# Altium PCB Computer_Board_Mockup.PcbDoc (part 4 of 5)
Units mm, origin at the board's own origin, x right, y up, seen from the top; angles counter-clockwise.
Board outline 185 x 165 mm, 4 copper layers (Top Layer, Layer 1, Layer 2, Bottom Layer), stack 1.57 mm thick; 400 components, 369 nets, 1989 pads, 984 vias.
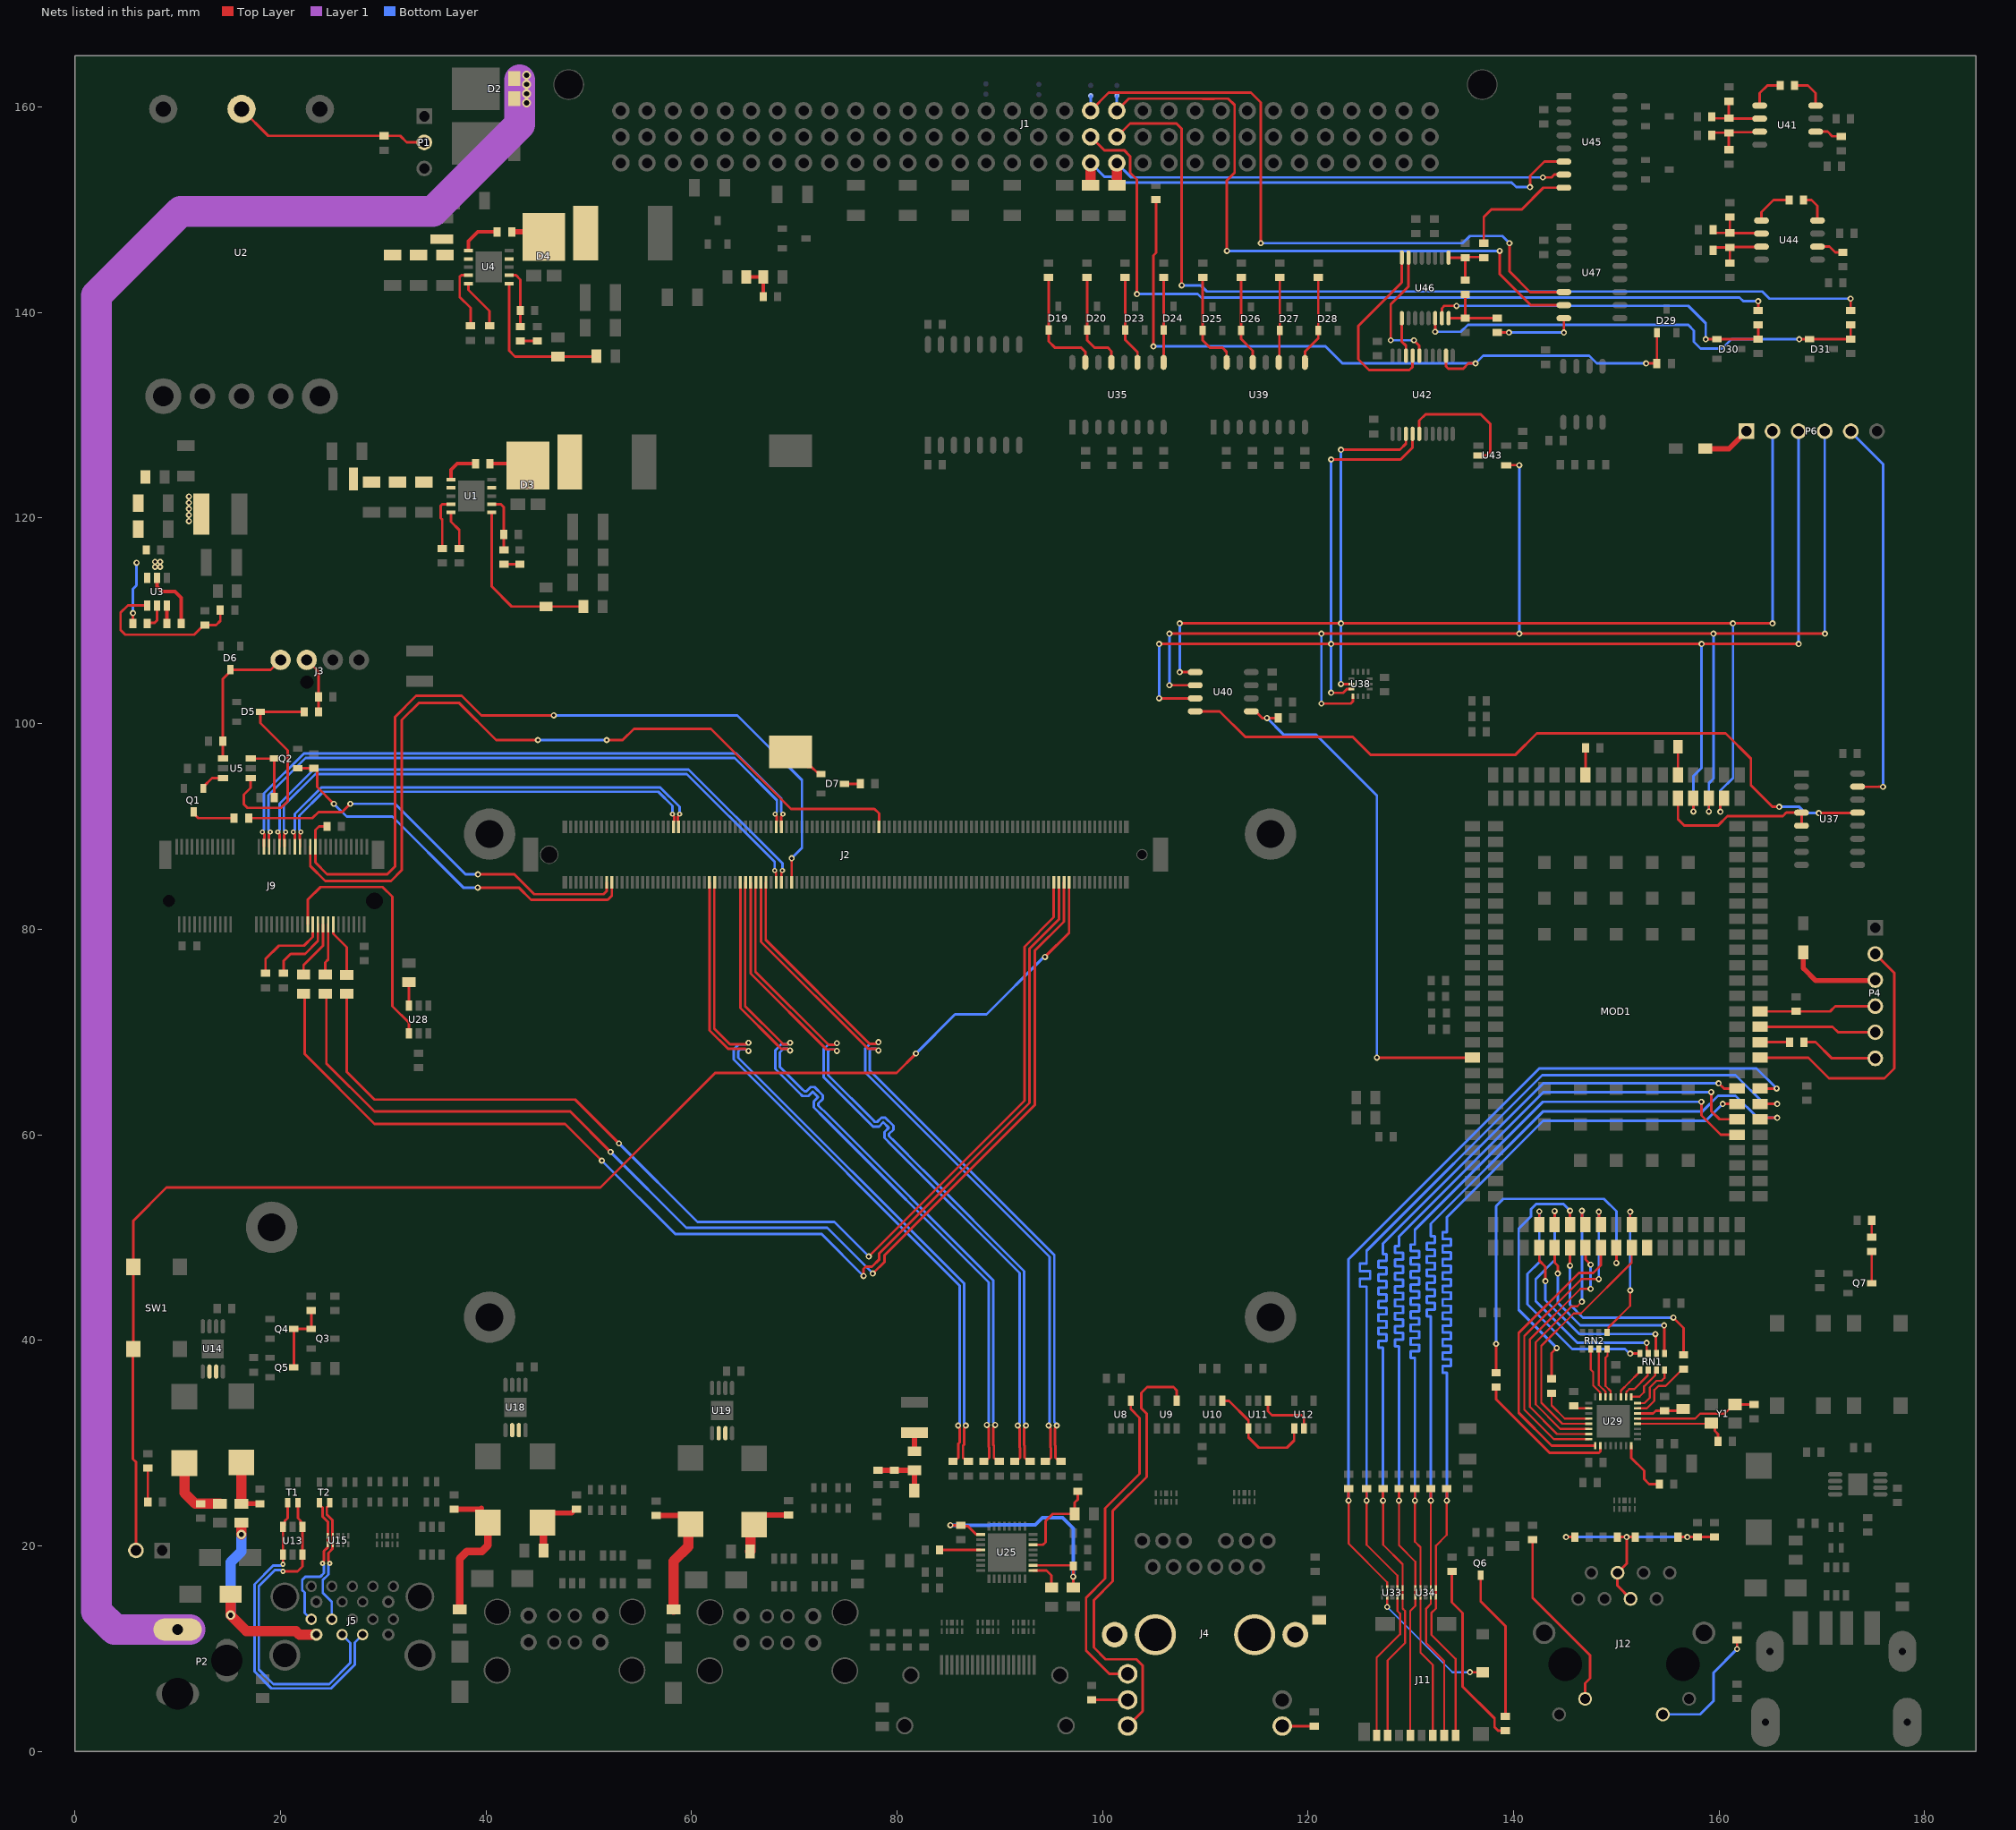
[diagram p6: the nets of this part, all layers, seen from the top]

## Via types
v1: diameter 0.6, hole 0.3, Top Layer to Bottom Layer, tented both sides, 775 vias
v2: diameter 0.8, hole 0.4, Top Layer to Bottom Layer, tented both sides, 113 vias
v3: diameter 0.5, hole 0.2, Top Layer to Bottom Layer, tented both sides, 38 vias
v4: diameter 0.6, hole 0.3, Top Layer to Bottom Layer, 22 vias
v5: diameter 0.45, hole 0.2, Top Layer to Bottom Layer, tented both sides, 16 vias
v6: diameter 0.9, hole 0.5, Top Layer to Bottom Layer, tented both sides, 12 vias
v7: diameter 0.5, hole 0.25, Top Layer to Bottom Layer, tented both sides, 5 vias
v8: diameter 0.45, hole 0.25, Top Layer to Bottom Layer, tented both sides, 3 vias

## Nets (pads, with @x,y where several pads share a name; then routed paths per layer and width w, separated by ;. In a path a pad name is that pad's centre, name@x,y a point inside that pad or via, vN(x,y) a via of type N, cw(c..) or ccw(c..) an arc to the next point about the centre after c; other vN are vias at no path point) (continued)
MMC0_CD: J11.9 MOD1.42 R53.1 U33.2 U33.9 | length 100.2
  Top Layer w0.2: v1(123.95,24.4) 123.95,20.2 127.7,16.45 U33.2@127.7,15.032 v1(127.7,14.05) ; v1(135.75,7.7) J11.9@136.985,7.7
  Top Layer w0.25: v1(123.95,24.4) R53.1@123.95,25.55 ; MOD1.42@164,64.5 v1(165.6,64.5)
  Bottom Layer w0.2: v1(127.7,14.05) 134.05,7.7 v1(135.75,7.7)
  Bottom Layer w0.25: v1(123.95,24.4) 123.95,47.9 142.5,66.45 163.65,66.45 v1(165.6,64.5)
MMC0_CLKO: J11.5 MOD1.65 R54.1 U34.1 U34.10 | length 103.5
  Top Layer w0.2: v1(128.85,24.4) 128.85,20.05 130.45,18.45 U34.10@130.45,15.868 U34.1@130.45,15.032 130.45,14.15 129.95,13.65 J11.5@129.95,1.55
  Top Layer w0.25: v1(128.85,24.4) R54.1@128.85,25.55 ; v1(159.228,64.15) 159.228,62.322 160.05,61.5 MOD1.65@161.75,61.5
  Bottom Layer w0.25: v1(128.85,24.4) 128.85,39.28 128.85,39.325 128.85,39.405 128.45,39.405 128.45,40.055 129.25,40.055 129.25,40.705 128.45,40.705 128.45,41.355 129.25,41.355 129.25,42.005 128.45,42.005 128.45,42.655 129.25,42.655 129.25,43.305 128.45,43.305 128.45,43.955 129.25,43.955 129.25,44.605 128.45,44.605 128.45,45.255 129.25,45.255 129.25,45.905 128.45,45.905 128.45,46.555 129.25,46.555 129.25,47.205 128.45,47.205 128.45,47.855 129.25,47.855 129.25,48.505 128.45,48.505 128.45,49.155 128.85,49.155 128.85,49.575 128.85,50.1 142.9,64.15 v1(159.228,64.15)
MMC0_CMD: J11.3 MOD1.64 R57.1 U34.2 U34.9 | length 103.3
  Top Layer w0.2: v1(130.4,24.4) 130.4,20.4 130.95,19.85 U34.9@130.95,15.868 U34.2@130.95,15.032 130.95,9.6 132.15,8.4 J11.3@132.15,1.55
  Top Layer w0.25: v1(130.4,24.4) R57.1@130.4,25.55 ; v1(158.275,63.2) 158.275,61.875 160.15,60 MOD1.64@161.75,60
  Bottom Layer w0.25: v1(130.4,24.4) 130.4,38.14 130.4,38.15 130.4,38.265 130,38.265 130,38.915 130.8,38.915 130.8,39.565 130,39.565 130,40.215 130.8,40.215 130.8,40.865 130,40.865 130,41.515 130.8,41.515 130.8,42.165 130,42.165 130,42.815 130.8,42.815 130.8,43.465 130,43.465 130,44.115 130.8,44.115 130.8,44.765 130,44.765 130,45.415 130.8,45.415 130.8,46.065 130,46.065 130,46.715 130.8,46.715 130.8,47.365 130,47.365 130,48.015 130.8,48.015 130.8,48.665 130,48.665 130,49.315 130.4,49.315 130.4,50 130.4,50.75 142.85,63.2 v1(158.275,63.2)
MMC0_DAT0: J11.7 MOD1.67 R58.1 U33.5 U33.6 | length 102.9
  Top Layer w0.2: v1(127.3,24.4) 127.3,20.1 129.2,18.2 U33.6@129.2,15.868 U33.5@129.2,15.032 129.2,13.9 129.45,13.65 129.45,10.55 127.75,8.85 J11.7@127.75,1.55
  Top Layer w0.25: v1(127.3,24.4) R58.1@127.3,25.55 ; v1(159.95,65) 160.45,64.5 MOD1.67@161.75,64.5
  Bottom Layer w0.25: v1(127.3,24.4) 127.3,39.143 127.3,39.175 127.3,39.268 126.85,39.268 126.85,39.918 127.65,39.918 127.65,40.568 126.85,40.568 126.85,41.218 127.65,41.218 127.65,41.868 126.85,41.868 126.85,42.518 127.65,42.518 127.65,43.168 126.85,43.168 126.85,43.818 127.65,43.818 127.65,44.468 126.85,44.468 126.85,45.118 127.65,45.118 127.65,45.768 126.85,45.768 126.85,46.418 127.65,46.418 127.65,47.068 126.85,47.068 126.85,47.718 127.65,47.718 127.65,48.368 127.3,48.368 127.3,49.125 127.3,49.4 142.9,65 v1(159.95,65)
MMC0_DAT1: J11.8 MOD1.41 R59.1 U33.4 U33.7 | length 103.7
  Top Layer w0.2: v1(125.7,24.4) 125.7,20.1 128.7,17.1 U33.7@128.7,15.868 U33.4@128.7,15.032 128.7,13.65 128.95,13.4 128.95,11.4 126.675,9.125 J11.8@126.675,1.55
  Top Layer w0.25: v1(125.7,24.4) R59.1@125.7,25.55 ; MOD1.41@164,63 v1(165.65,63)
  Bottom Layer w0.25: v1(125.7,24.4) 125.7,45.097 125.7,45.205 125.7,45.222 125.05,45.222 125.05,45.972 126.05,45.972 126.05,46.722 125.05,46.722 125.05,47.472 125.7,47.472 125.7,47.95 125.7,48.7 142.8,65.8 161.6,65.8 164.4,63 v1(165.65,63)
MMC0_DAT2: J11.1 MOD1.66 R55.1 U34.5 U34.6 | length 102.8
  Top Layer w0.2: v1(133.5,24.4) 133.5,21.05 132.45,20 U34.6@132.45,15.868 U34.5@132.45,15.032 132.45,13.9 132,13.45 132,11.35 134.35,9 J11.1@134.35,1.55
  Top Layer w0.25: v1(133.5,24.4) R55.1@133.5,25.55 ; v1(160.35,63) MOD1.66@161.75,63
  Bottom Layer w0.25: v1(133.5,24.4) 133.5,36.725 133.5,36.85 133.1,36.85 133.1,37.5 133.9,37.5 133.9,38.15 133.1,38.15 133.1,38.8 133.9,38.8 133.9,39.45 133.1,39.45 133.1,40.1 133.9,40.1 133.9,40.75 133.1,40.75 133.1,41.4 133.9,41.4 133.9,42.05 133.1,42.05 133.1,42.7 133.9,42.7 133.9,43.35 133.1,43.35 133.1,44 133.9,44 133.9,44.65 133.1,44.65 133.1,45.3 133.9,45.3 133.9,45.95 133.1,45.95 133.1,46.6 133.9,46.6 133.9,47.25 133.1,47.25 133.1,47.9 133.9,47.9 133.9,48.55 133.1,48.55 133.1,49.2 133.9,49.2 133.9,49.85 133.1,49.85 133.1,50.5 133.5,50.5 133.5,51.25 133.5,51.969 142.881,61.35 158.7,61.35 v1(160.35,63)
MMC0_DAT3: J11.2 MOD1.40 R56.1 U34.4 U34.7 | length 102.9
  Top Layer w0.2: v1(131.95,24.4) U34.7@131.95,15.868 U34.4@131.95,15.032 131.95,14.35 131.5,13.9 131.5,10.5 133.25,8.75 J11.2@133.25,1.55
  Top Layer w0.25: v1(131.95,24.4) R56.1@131.95,25.55 ; MOD1.40@164,61.5 164.145,61.645 v1(165.65,61.645)
  Bottom Layer w0.25: v1(131.95,24.4) 131.95,42.203 131.95,42.328 131.55,42.328 131.55,42.978 132.35,42.978 132.35,43.628 131.55,43.628 131.55,44.278 132.35,44.278 132.35,44.928 131.55,44.928 131.55,45.578 132.35,45.578 132.35,46.228 131.55,46.228 131.55,46.878 132.35,46.878 132.35,47.528 131.55,47.528 131.55,48.178 132.35,48.178 132.35,48.828 131.55,48.828 131.55,49.478 132.35,49.478 132.35,50.128 131.95,50.128 131.95,50.9 131.95,51.35 142.85,62.25 158.35,62.25 159.9,63.8 161.6,63.8 163.75,61.65 v1@165.65,61.65
NetBT1_1: BT1.1 D7.1 | length 3.8
  Top Layer w0.25: BT1.1@69.65,97.25 69.875,97.25 71.35,95.775 71.7,95.775 72.2,95.275 72.425,95.275 D7.1@72.6,95.1
NetC1_1: C1.1 U1.1 | length 3.6
  Top Layer w0.35: U1.1@36.6,123.75 36.6,124.7 37.2,125.3 C1.1@39,125.3
NetC1_2: C1.2 D3.3 L2.1 U1.9 | length 3.8
  Top Layer w0.35: C1.2@40.4,125.3 43.885,125.3 D3.3@44.085,125.1
NetC2_1: C2.1 C3.1 C4.1 L1.2 U1.2
NetC9_1: C9.1 U1.4 | length 5.3
  Top Layer w0.25: C9.1@35.75,117.05 35.75,119.85 35.6,120 35.6,121.2 35.75,121.35 U1.4@36.6,121.35
NetC10_1: C10.1 R3.1 U1.7 | length 5.5
  Top Layer w0.25: U1.7@40.55,121.35 41.45,121.35 41.75,121.05 C10.1@41.75,118.4 R3.1@41.75,116.9
NetC11_1: C11.1 R3.2 | length 1.6
  Top Layer w0.25: R3.2@41.75,115.5 C11.1@43.3,115.5
NetC12_1: C12.1 U3.6 | length 1.8
  Top Layer w0.35: C12.1@8.95,109.75 U3.6@8.95,111.5
NetC12_2: C12.2 L4.1 U3.2 | length 6.2
  Top Layer w0.35: U3.2@8,114.2 8,113.35 8.5,112.85 9.75,112.85 10.35,112.25 C12.2@10.35,109.75
  other v1: 7.8,115.25 8.3,115.25 7.8,115.75 8.3,115.75 11.1,119.7 11.1,120.3 11.1,120.9 11.1,121.5 11.1,122.1
NetC14_1: C14.1 C15.1 C16.2 L3.2 R6.1 U3.3 | length 6
  Top Layer w0.25: R6.1@5.65,109.75 v1(5.65,110.75)
  Bottom Layer w0.25: v1(5.65,110.75) 5.65,113.1 6,113.45 v1(6,115.65)
NetC19_1: C19.1 U4.1 | length 4.1
  Top Layer w0.35: U4.1@38.3,146.025 38.3,146.95 39.2,147.85 C19.1@41.1,147.85
NetC19_2: C19.2 D4.3 L6.1 U4.9 | length 3.3
  Top Layer w0.5: C19.2@42.5,147.85 45.135,147.85 D4.3@45.635,147.35
NetC21_1: C21.1 C22.1 C23.1 L5.2 U4.2
NetC27_1: C27.1 U4.4 | length 6.1
  Top Layer w0.25: U4.4@38.3,143.625 37.596,143.625 37.45,143.479 37.45,141.5 38.5,140.45 C27.1@38.5,138.7
NetC28_1: C28.1 R10.1 U4.7 | length 5.8
  Top Layer w0.25: U4.7@42.25,143.625 42.925,143.625 43.35,143.2 C28.1@43.35,140.2 R10.1@43.35,138.65
NetC29_1: C29.1 R10.2 | length 1.6
  Top Layer w0.25: R10.2@43.35,137.25 C29.1@45,137.25
NetC32_1: C32.1 C34.2 L8.1 U14.7 | length 5.8
  Top Layer w0.5: L8.1@16.2,24.1 C34.2@18,24.1
  Top Layer w1: L8.1@16.2,24.1 C32.1@16.2,28.1
NetC33_1: C33.1 C35.2 L9.1 U14.6 | length 6.8
  Top Layer w1: C33.1@10.65,28.05 10.65,25.15 11.7,24.1 C35.2@12.25,24.1 L9.1@14.1,24.1
NetC39_1: C39.1 C43.2 L10.1 U18.7 | length 6.6
  Top Layer w0.5: C39.1@45.5,22.25 46.45,23.2 48.35,23.2 48.7,23.55 C43.2@48.8,23.55
  Top Layer w0.75: C39.1@45.5,22.25 45.6,22.15 L10.1@45.6,19.55
NetC40_1: C40.1 C44.2 L12.1 U18.6 | length 13.1
  Top Layer w0.5: C44.2@36.9,23.55 39.45,23.55 39.55,23.65
  Top Layer w0.75: L12.1@37.45,13.8 37.45,18.75 38.15,19.45 39.6,19.45 40.2,20.05 C40.1@40.2,22.25
NetC41_1: C41.1 C45.2 L11.1 U19.7 | length 6.5
  Top Layer w0.5: C41.1@66.1,22.05 67.05,23 C45.2@69.45,23
  Top Layer w1: L11.1@65.7,19.45 65.725,19.475 65.725,21.675 C41.1@66.1,22.05
NetC42_1: C42.1 C46.2 L13.1 U19.6 | length 12.7
  Top Layer w0.5: C46.2@56.55,22.95 59.05,22.95 C42.1@59.9,22.1
  Top Layer w1: L13.1@58.25,13.8 58.25,18.5 59.686,19.936 59.686,21.886 C42.1@59.9,22.1
NetC47_2: C47.2 C48.2 L14.1 U25.1 U25.18 | length 26.8
  Top Layer w0.25: v1(85.2,22) C48.2@86.2,22 86.279,21.921 86.879,21.921 87.69,21.11 88.14,21.11 U25.1@88.15,21.1 ; U25.18@93.25,18.1 97.075,18.1 C47.2@97.15,18.025 ; L14.1@97.15,15.95 v1(97.15,17) C47.2@97.15,18.025 ; C47.2@97.15,18.125 C47.2@97.15,18.025
  Bottom Layer w0.35: v1(85.2,22) 89.059,22 89.109,22.05 93.45,22.05 94.15,22.75 96.1,22.75 97.15,21.7 v1(97.15,17)
NetC51_2: C51.2 C52.1 D14.2 L17.1 | length 5.6
  Top Layer w0.5: C52.1@78.15,27.35 C51.2@79.75,27.35 L17.1@81.7,27.35 D14.2@81.7,25.35
NetC71_1: C71.1 J12.4 J12.5 L19.1 R61.1 R62.1 R63.1 R64.1 | length 24.9
  Top Layer w0.25: v1(145.1,20.85) R62.1@145.95,20.85 ; R61.1@150.1,20.85 v1(151,20.85) ; J12.5@151.385,14.835 150.115,16.105 J12.4@150.115,17.375 151,18.26 v1(151,20.85) ; R64.1@151.85,20.85 v1(151,20.85) ; R63.1@156,20.85 v1(156.9,20.85) C71.1@157.9,20.85 L19.1@159.55,20.85
  Bottom Layer w0.25: v1(145.1,20.85) v1(151,20.85) v1(156.9,20.85)
NetC72_1: C72.1 C73.1 U29.6 | length 4.5
  Top Layer w0.25: U29.6@152.075,32.875 153.571,32.875 153.846,33.15 C72.1@154.7,33.15 156.35,33.15 C73.1@156.45,33.25
NetC74_1: C74.1 U29.4 Y1.1 | length 9.3
  Top Layer w0.2: U29.4@152.075,31.875 159.175,31.875 Y1.1@159.25,31.95
  Top Layer w0.25: Y1.1@159.25,31.95 159.579,31.621 159.579,31.171 159.9,30.85 C74.1@159.9,30.15
NetC75_1: C75.1 U29.5 Y1.3 | length 11.7
  Top Layer w0.2: U29.5@152.075,32.375 157.675,32.375 158.15,32.85 160.55,32.85 161.45,33.75 Y1.3@161.55,33.75
  Top Layer w0.25: Y1.3@161.55,33.75 C75.1@163.25,33.75
NetC81_2: C81.2 R78.2 R81.1 | length 3.6
  Top Layer w0.35: R78.2@65.35,143.45 R81.1@67,143.45 C81.2@67,141.55
NetC88_1: C88.1 C91.1 R104.1 U41.3 | length 6.5
  Top Layer w0.25: R104.1@159.3,157.25 159.3,157.275 159.525,157.5 C88.1@160.95,157.5 ; C91.1@160.95,155.85 C88.1@160.95,157.5 ; U41.3@163.95,157.6 163.9,157.55 161,157.55 C88.1@160.95,157.5
NetC88_2: C88.2 C90.1 R102.1 U41.2 | length 6.4
  Top Layer w0.25: R102.1@159.3,159.05 159.45,158.9 C88.2@160.95,158.9 ; C90.1@160.95,160.55 C88.2@160.95,158.9 ; U41.2@163.95,158.87 163.935,158.885 160.965,158.885 C88.2@160.95,158.9
NetC94_1: C94.1 C98.1 R111.1 U44.3 | length 6.5
  Top Layer w0.25: R111.1@159.4,146.05 159.4,146.125 159.625,146.35 C94.1@161.05,146.35 ; C98.1@161.05,144.8 C94.1@161.05,146.35 ; U44.3@164.125,146.415 164.092,146.382 161.082,146.382 C94.1@161.05,146.35
NetC94_2: C94.2 C97.1 R109.1 U44.2 | length 6.5
  Top Layer w0.25: R109.1@159.4,148.05 159.4,147.975 159.625,147.75 C94.2@161.05,147.75 ; C97.1@161.05,149.3 C94.2@161.05,147.75 ; U44.2@164.125,147.685 164.092,147.717 161.082,147.717 C94.2@161.05,147.75
NetD2_1: D2.1 D2.2 P2.1 | length 190.3
  Layer 1 w3: P2.1@11.2,11.85 P2.1@10,11.85 3.857,11.85 2.1,13.607 2.1,141.65 10.3,149.85 34.85,149.85 43.3,158.3 43.3,162.2 43.3,162.65
  other v6: 43.95,160.4 43.95,161.3 43.95,162.2 43.95,163.1
NetD5_3: D5.3 R14.2 U5.1 | length 21.5
  Top Layer w0.25: U5.1@17.1,94.7 17.1,93.75 16.45,93.1 16.45,92.15 16.8,91.8 20.05,91.8 20.7,92.45 20.7,97.4 18.05,100.05 D5.3@18.05,101.15 R14.2@22.3,101.15
NetD6_3: D6.3 J3.4 R16.2 U5.4 | length 14.2
  Top Layer w0.25: U5.4@14.4,96.6 R16.2@14.4,98.3 14.4,104.35 15.15,105.1 D6.3@15.15,105.25 19.047,105.25 19.997,106.2 J3.4@20.02,106.2
NetD7_3: D7.3 R19.1 | length 1.6
  Top Layer w0.25: D7.3@74.9,94.15 R19.1@76.45,94.15
NetD15_2: D15.2 R50.1 | length 3.3
  Top Layer w0.25: D15.2@7.1,24.25 R50.1@7.1,27.55
NetD17_1: D17.1 P4.3 | length 9
  Top Layer w0.25: P4.3@175.15,75 P4.3@175.2,75.05
  Top Layer w0.5: D17.1@168.2,77.725 168.2,76.2 169.4,75 P4.3@175.15,75
NetD18_1: D18.1 P6.1 | length 4.7
  Top Layer w0.5: D18.1@158.65,126.75 160.96,126.75 P6.1@162.66,128.45
NetD19_1: D19.1 R79.1 U35.15 | length 11.2
  Top Layer w0.25: R79.1@94.75,143.4 D19.1@94.75,138.3 94.75,137.2 95.35,136.6 97.9,136.6 98.325,136.175 U35.15@98.325,135.15
NetD20_1: D20.1 R80.1 U35.13 | length 10
  Top Layer w0.25: R80.1@98.5,143.4 D20.1@98.5,138.3 98.5,137.3 99.2,136.6 100.5,136.6 100.865,136.235 U35.13@100.865,135.15
NetD23_1: D23.1 R82.1 U35.11 | length 8.7
  Top Layer w0.25: R82.1@102.2,143.4 D23.1@102.2,138.3 102.2,137.35 103.405,136.145 U35.11@103.405,135.15
NetD24_1: D24.1 R83.1 U35.9 | length 8.3
  Top Layer w0.25: U35.9@105.945,135.15 105.947,135.152 105.947,138.298 D24.1@105.95,138.3 R83.1@105.95,143.4
NetD25_1: D25.1 R91.1 U39.15 | length 9.9
  Top Layer w0.25: R91.1@109.75,143.4 D25.1@109.75,138.25 109.75,137.3 110.45,136.6 111.65,136.6 112.075,136.175 U39.15@112.075,135.15
NetD26_1: D26.1 R92.1 U39.13 | length 8.7
  Top Layer w0.25: R92.1@113.5,143.4 D26.1@113.5,138.25 113.5,137.4 114.615,136.285 U39.13@114.615,135.15
NetD27_1: D27.1 R93.1 U39.11 | length 8.3
  Top Layer w0.25: U39.11@117.155,135.15 117.202,135.197 117.202,138.202 D27.1@117.25,138.25 R93.1@117.25,143.4
NetD28_1: D28.1 R94.1 U39.9 | length 8.8
  Top Layer w0.25: U39.9@119.695,135.15 119.695,136.195 121,137.5 D28.1@121,138.25 R94.1@121,143.4
NetD29_1: D29.1 R105.1 R107.2 U42.12 | length 71.9
  Top Layer w0.25: v1(104.95,136.7) 104.95,145.55 105.2,145.8 R105.1@105.2,151 ; U42.12@133.425,135.8 133.425,134.775 133.65,134.55 135.1,134.55 135.6,135.05 v1(136.3,135.05) ; v1(152.9,135.05) R107.2@153.95,135.05 D29.1@153.95,138.05
  Bottom Layer w0.25: v1(104.95,136.7) 121.7,136.7 123.35,135.05 v1(136.3,135.05) 137.05,135.8 147.35,135.8 148.1,135.05 v1(152.9,135.05)
NetD32_1: D32.1 Q6.3 | length 14.7
  Top Layer w0.25: Q6.3@136.8,17.15 136.8,14.6 139.2,12.2 D32.1@139.2,3.4
NetD32_2: D32.2 R112.1 | length 18.1
  Top Layer w0.25: R112.1@134,17.5 134,14.5 135.05,13.45 135.05,6.3 138.15,3.2 138.15,2.35 138.5,2 D32.2@139.2,2
NetD33_1: D33.1 Q7.3 | length 3.1
  Top Layer w0.25: Q7.3@174.85,45.55 D33.1@174.85,48.65
NetD33_2: D33.2 R114.1 | length 1.6
  Top Layer w0.25: D33.2@174.85,50.05 R114.1@174.85,51.65
NetF2_1: F2.1 L17.2 | length 1.8
  Top Layer w0.5: L17.2@81.7,29.2 F2.1@81.7,31
NetJ2_B101: J2.B101 Q2.1 R18.1 | length 38.3
  Top Layer w0.25: Q2.1@21.7,95.65 R18.1@23.25,95.65 23.35,95.65 23.575,95.425 23.575,93.825 v1(25.2,92.2) ; v1(39.2,84.05) 43.2,84.05 44.4,82.85 51.85,82.85 52.25,83.25 J2.B101@52.25,84.55
  Bottom Layer w0.25: v1(25.2,92.2) 26.45,90.95 30.9,90.95 37.8,84.05 v1(39.2,84.05)
NetJ2_B102: J2.B102 R17.2 | length 40
  Top Layer w0.25: R17.2@16.9,90.8 23.1,90.8 23.7,91.4 26,91.4 v1(26.8,92.2) ; v1(39.225,85.325) 42.775,85.325 44.7,83.4 51.45,83.4 51.75,83.7 J2.B102@51.75,84.55
  Bottom Layer w0.25: v1(26.8,92.2) 31.15,92.2 38.025,85.325 v1(39.225,85.325)
NetJ3_3: J3.3 R13.1 R14.1 | length 5.5
  Top Layer w0.25: J3.3@22.56,106.2 23.7,105.06 R13.1@23.7,102.6 R14.1@23.7,101.15
NetJ4_14: J4.14 R20.2 | length 3.1
  Top Layer w0.25: J4.14@117.49,2.46 117.495,2.455 120.595,2.455 R20.2@120.6,2.45
NetJ4_15: J4.15 U8.4 | length 31.8
  Top Layer w0.25: J4.15@102.45,7.54 100.66,7.54 98.4,9.8 98.4,14.95 100.25,16.8 100.25,23.65 103.6,27 103.6,32.45 102.75,33.3 U8.4@102.75,34.1
NetJ4_16: J4.16 R21.2 | length 3.5
  Top Layer w0.25: R21.2@98.95,5 J4.16@102.45,5
NetJ4_17: J4.17 U9.4 | length 43.9
  Top Layer w0.25: J4.17@102.45,2.46 103.9,3.91 103.9,8.35 103.3,8.95 100.3,8.95 99.15,10.1 99.15,14.7 101,16.55 101,23.4 104.3,26.7 104.3,32.85 103.775,33.375 103.775,34.875 104.35,35.45 106.9,35.45 107.2,35.15 U9.4@107.2,34.1
NetJ9_52: J9.52 U28.4 | length 25.5
  Top Layer w0.25: J9.52@22.65,80.475 22.65,82.85 23.9,84.1 29.95,84.1 30.9,83.15 30.9,72.5 32.5,70.9 U28.4@32.5,69.875
NetJ9_54: J9.54 R42.2 | length 8.1
  Top Layer w0.25: R42.2@18.55,75.7 18.55,77.1 19.85,78.4 22.3,78.4 23.15,79.25 J9.54@23.15,80.475
NetJ9_56: J9.56 R43.2 | length 7
  Top Layer w0.25: R43.2@20.3,75.7 20.3,76.904 20.996,77.6 22.4,77.6 23.65,78.85 J9.56@23.65,80.475
NetJ9_58: J9.58 R47.1 | length 5.7
  Top Layer w0.25: R47.1@22.25,75.575 22.25,76.5 24.15,78.4 J9.58@24.15,80.475
NetJ9_60: J9.60 R48.1 | length 5
  Top Layer w0.25: R48.1@24.35,75.575 24.35,76.75 24.65,77.05 J9.60@24.65,80.475
NetJ9_62: J9.62 R49.1 | length 5.5
  Top Layer w0.25: J9.62@25.15,80.475 25.15,79.55 26.45,78.25 R49.1@26.45,75.55
NetJ12_10: J12.10 R60.2 | length 12.4
  Top Layer w0.25: v1(161.75,9.95) R60.2@161.75,10.85
  Bottom Layer w0.25: J12.10@154.535,3.585 154.55,3.6 158.15,3.6 159.45,4.9 159.45,7.65 v1(161.75,9.95)
NetJ12_11: J12.11 R66.1 | length 18
  Top Layer w0.25: R66.1@141.85,20.6 141.85,15.75 141.85,14.95 147.45,9.35 147.45,7.1 146.965,6.615 J12.11@146.965,5.105
NetMOD1_44: MOD1.44 P4.2 | length 26.2
  Top Layer w0.25: MOD1.44@164,67.5 168.7,67.5 170.7,65.5 176.1,65.5 177.05,66.45 177.05,75.74 P4.2@175.2,77.59
NetMOD1_45: MOD1.45 R77.1 | length 2.9
  Top Layer w0.25: MOD1.45@164,69 R77.1@166.85,69 R77.1@166.85,69.1
NetMOD1_46: MOD1.46 P4.5 | length 11.4
  Top Layer w0.25: MOD1.46@164,70.5 171.05,70.5 171.58,69.97 P4.5@175.2,69.97
NetMOD1_47: MOD1.47 P4.4 R106.1 | length 11.4